# Altium PCB PCB1.PcbDoc (part 1 of 2) (continued)
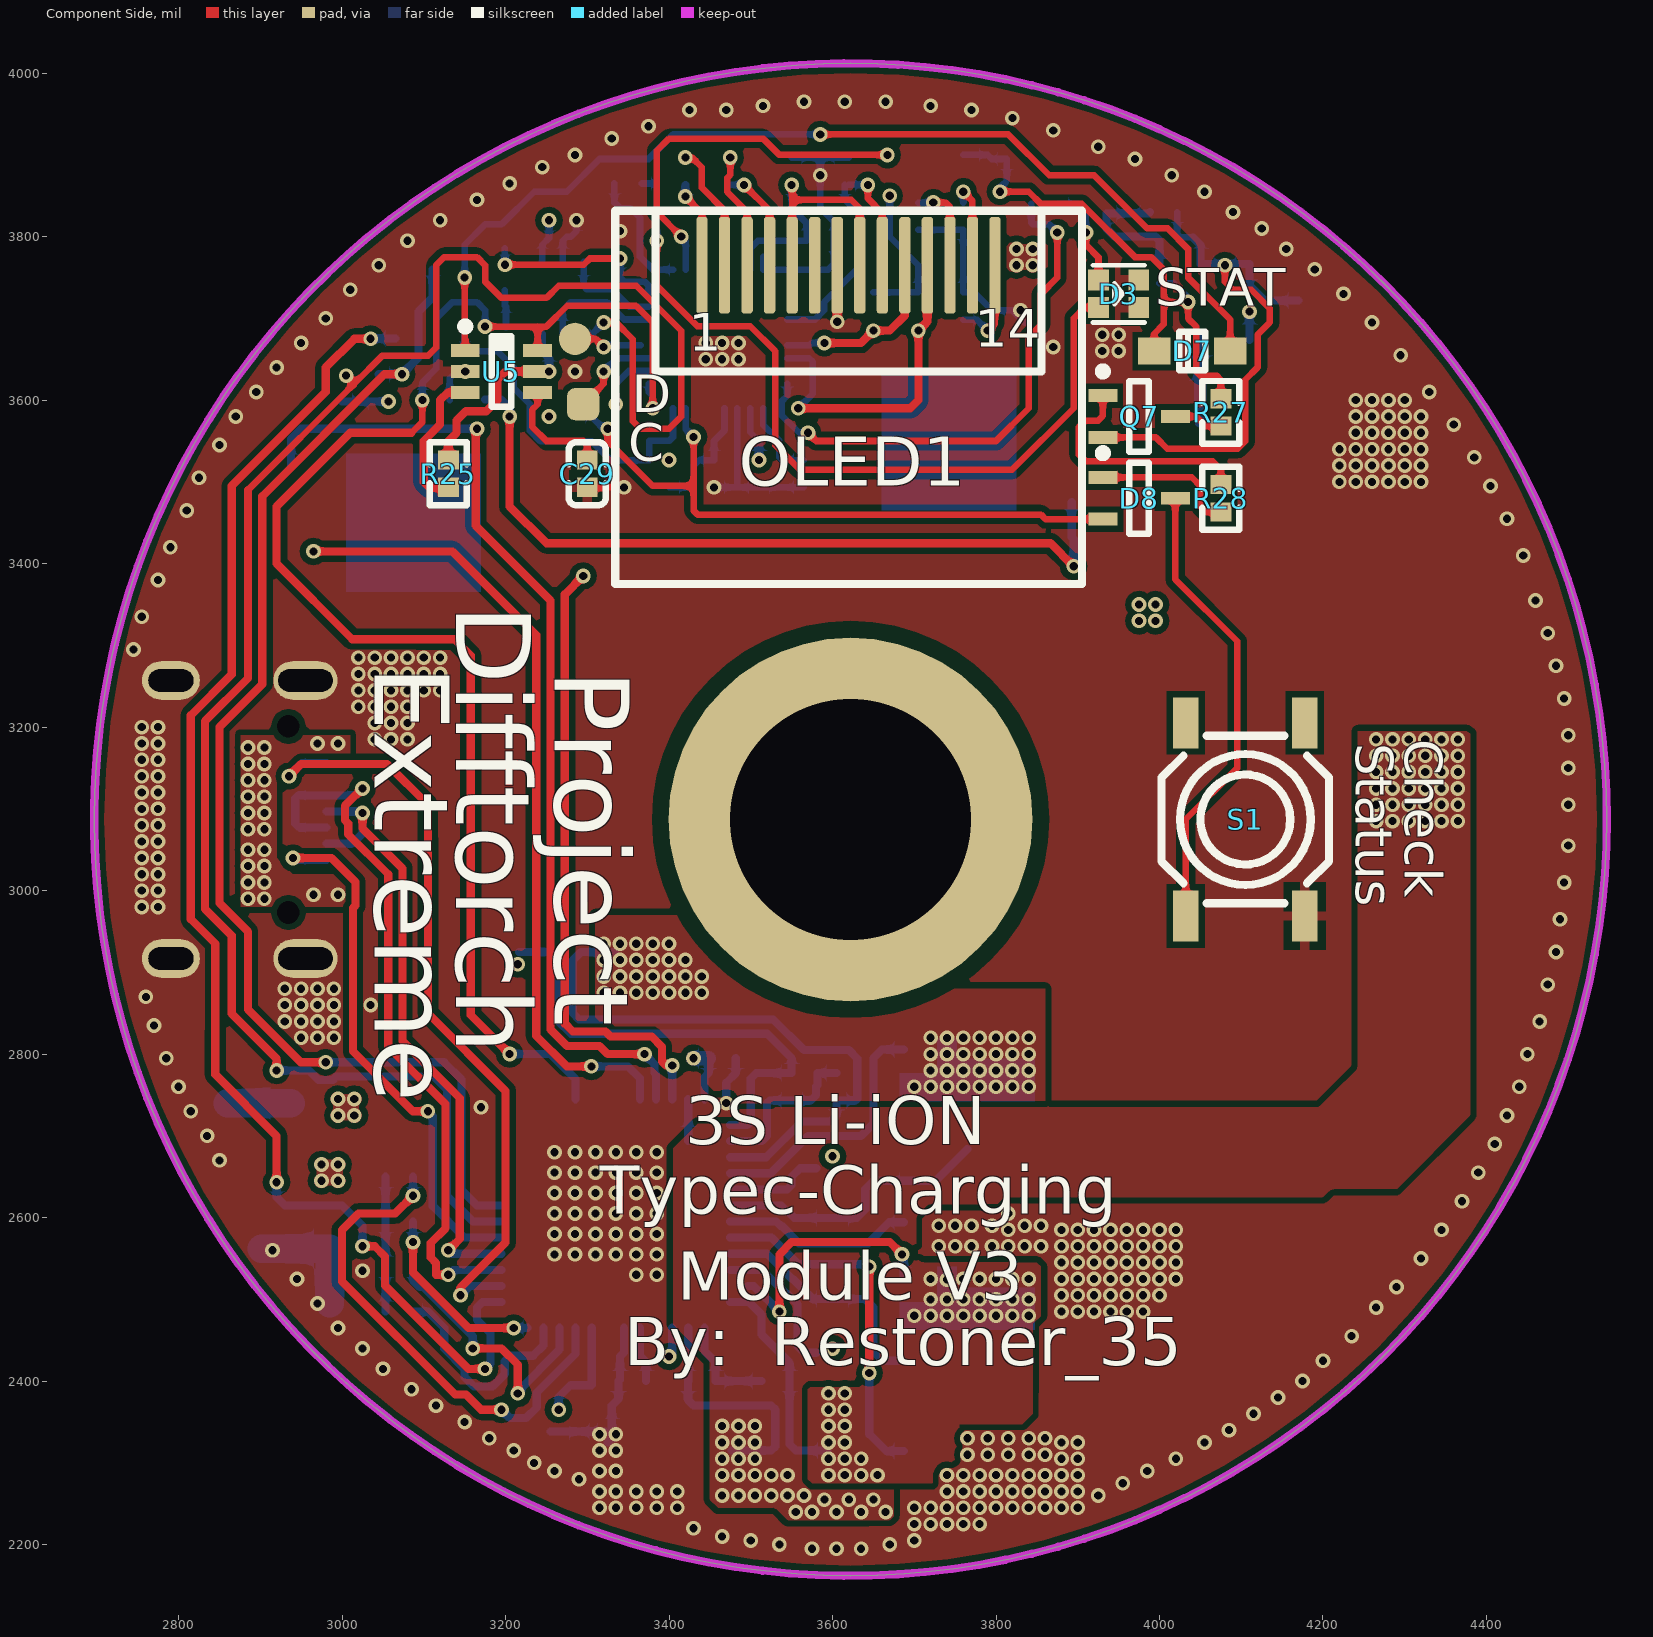
[diagram p0: Component Side view]
## Components (designator, comment, footprint, x,y, rotation, side; value= is the part's Value field where it differs from the comment)
C1 "100nF (104) 10% 50V" 0603_C 3600,2630 r90 bottom
C2 "100nF (104) 10% 50V" 0603_C 3600,2470 r270 bottom
C3 "1.0uF (105) 10% 25V" 0402_C 3440,2400 r180 bottom
C4 "22uF (226) 20% 25V" 0805_C 3370,2325 r180 bottom
C5 "22uF (226) 20% 25V" 0805_C 3100,2835 r0 bottom
C6 "1.0uF (105) 10% 25V" 0402_C 3550,2760 r90 bottom
C7 "22uF (226) 20% 25V" 0805_C 3100,2930 r0 bottom
C8 "TCN4107M035" TCN4 3160,3155 r90 bottom
C9 "4.7uF (475) 20% 10V" 0402_C 3355,2400 r0 bottom
C10 "4.7uF (475) 20% 10V" 0402_C 3265,2350 r90 bottom
C11 "100nF (104) 10% 16V" 0402_C 3465,2795 r180 bottom
C12 "22uF (226) 20% 25V" 0805_C 4345,3405 r90 bottom
C13 "TCN4157M035" TCN4 4115,3530 r0 bottom
C14 "100nF (104) 10% 16V" 0402_C 3510,3510 r270 bottom
C15 "100nF (104) 10% 16V" 0402_C 2920,2660.09 r90 bottom
C16 "1.0uF (105) 10% 25V" 0402_C 3935,3845 r270 bottom
C17 "10uF (106) 10% 10V" 0603_C 3830,3725 r90 bottom
C18 "100nF (104) 10% 16V" 0402_C 3585,3795 r0 bottom
C19 "4.7uF (475) 20% 10V" 0402_C 3565,3510 r270 bottom
C20 "100nF (104) 10% 16V" 0402_C 3455,3510 r90 bottom
C21 "1.0uF (105) 10% 25V" 0402_C 3760,3825 r270 bottom
C22 "1.0uF (105) 10% 25V" 0402_C 3420,3880 r90 bottom
C23 "1.0uF (105) 10% 25V" 0402_C 3475,3880 r270 bottom
C24 "100nF (104) 10% 16V" 0402_C 3550,3880 r270 bottom
C25 "1.0uF (105) 10% 25V" 0402_C 3760,3715 r270 bottom
C26 "100nF (104) 10% 16V" 0402_C 3270,3820 r180 bottom
C27 "100nF (104) 10% 16V" 0402_C 3270,3635 r180 bottom
C28 "100nF (104) 10% 16V" 0402_C 4170,3705 r90 bottom
C29 "4.7uF (475) 20% 10V" 0402_C 3300,3510 r270 top
D1 "SMF30A CK" SOD-123 2995,2740 r180 bottom
D2 "SMF30A CK" SOD-123 2985,2620 r270 bottom
D3 "0606 双色LED" LED-SMD_4P-L1.6-W1.5-TL-1 3950,3730 r180 top
D4 "1N5819WS S4" SOD-323 4110,3720 r270 bottom
D5 "1N5819WS S4" SOD-323 4050,3720 r270 bottom
D6 "1N5819WS S4" SOD-323 3713.54,3900 r180 bottom
D7 "1N5819WS S4" SOD-323 4040,3660 r0 top
D8 "BAV70 A4" SC70-3 3975,3480 r0 top
J1 "TYPEC 16P" USB-C-SMD_KH-TYPE-C-16P 2885.79,3087.01 r90 bottom locked
L1 "IHLP5050FDER100M01" IHLP5050FDER***M01 4140,3020 r270 bottom
OLED1 "0.49Inch 64x32" OLED-0.49Inch 3334.13,3375 r0 top
Q1 "RUH30J51M" PDFN-8_L5.8-W4.9_RU30J30M 3765,2420 r0 bottom
Q2 "RUH30J51M" PDFN-8_L5.8-W4.9_RU30J30M 3765,2700 r0 bottom
Q3 "CSD18540" SON/DFN5x6(MOS) 3050,3450 r0 bottom
Q4 "NCE30P50G" SON/DFN5x6(MOS) 3780,3550 r180 bottom
Q5 "2N7002KW" SC70-3 3175,3645 r270 bottom
Q6 "2N7002KW" SC70-3 3155,3760 r180 bottom
Q7 "SS8550W" SC70-3 3975,3580 r0 top
R1 "0Ω (0R0) ±1%" 1206_R 3545,2315 r180 bottom
R2 "10Ω (10R0) ±1%" 0402_R 3530,2400 r180 bottom
R3 "0Ω (0R0) ±1%" 1206_R 3275,2925 r0 bottom
R4 "10Ω (10R0) ±1%" 0402_R 3605,2760 r270 bottom
R5 "9.1KΩ (9101) ±1%" 0402_R 3070,2650 r0 bottom
R6 "6.2KΩ (6201) ±1%" 0402_R 3070,2540 r0 bottom
R7 "15KΩ (1502) ±1%" 0402_R 3070,2595 r0 bottom
R8 "10KΩ (1002) ±1%" 0402_R 3070,2485 r0 bottom
R9 "220KΩ (2203) ±1%" 0402_R 3895,3380 r270 bottom
R10 "10KΩ (1002) ±1% NTC B3380" 0402_R 3065.44,3692.04 r270 bottom
R11 "10KΩ (1002) ±1%" 0402_R 3400,3510 r90 bottom
R12 "470KΩ (4703) ±1%" 0402_R 3705,3825 r270 bottom
R13 "3.3KΩ (3301) ±1%" 0402_R 3650,3715 r90 bottom
R14 "1Ω (1R00) ±1%" 0402_R 4005,3830 r180 bottom
R15 "3.3KΩ (3301) ±1%" 0402_R 3705,3715 r90 bottom
R16 "10KΩ (1002) ±1%" 0402_R 3615,3880 r270 bottom
R17 "10KΩ (1002) ±1%" 0402_R 3270,3580 r180 bottom
R18 "3.3KΩ (3301) ±1%" 0402_R 3000,3615 r270 bottom
R19 "3.3KΩ (3301) ±1%" 0402_R 3045,3615 r270 bottom
R20 "470KΩ (4703) ±1%" 0402_R 3115,3600 r180 bottom
R21 "1KΩ (1001) ±1%" 0402_R 3350,3865 r180 bottom
R22 "2.43KΩ (2431) ±1%" 0402_R 3860,3840 r0 bottom
R23 "10KΩ (1002) ±1%" 0402_R 3340,3790 r90 bottom
R24 "10KΩ (1002) ±1%" 0402_R 3345,3510 r90 bottom
R25 "1KΩ (1001) ±1%" 0402_R 3130,3510 r270 top
R26 "22KΩ (2202) ±1%" 0402_R 3830,3895 r180 bottom
R27 "1KΩ (1001) ±1%" 0402_R 4075,3585 r270 top
R28 "15KΩ (1502) ±1%" 0402_R 4075,3480 r90 top
S1 "4x4轻触" SW-SMD_4P-L5.2-W5.2-P3.70-LS6.4 4105,3087.01 r90 top
U1 "IP2368" QFN50P700X700X100_HS-49M 3335,2605 r270 bottom locked
U2 "MPQ2013AGQ-33-AEC1" MPQ2013A-QFN8 3945,3730 r180 bottom
U3 "HT32F52342-QFN33" QFN32-HT32 3460,3675 r180 bottom
U4 "SN74LVC1T45DCKR" DCK0006A_N 3270,3725 r270 bottom
U5 "NC7SB3157P6X" SC70-6 3195,3635 r0 top

## Footprints (in the part's own frame and the unit in brackets; to place one, negate y for a bottom-side part, rotate by r counter-clockwise, add the part's x,y. Pads: shape width x height; smd on the part's side, far side on the other; paste and mask are expansions set on the pad)
0402_C [mm]
  rect 0.6x0.65 smd mask+0.051: 1(-0.425,0) 2(0.425,0)
  silkscreen extent -0.97,-0.58 0.97,0.58, body extent -0.48,-0.3 0.52,0.3, height 0.2
0402_R [mm]
  rect 0.6x0.65 smd mask+0.051: 1(-0.425,0) 2(0.425,0)
  silkscreen extent -0.97,-0.58 0.97,0.58, body extent -0.57,-0.27 0.58,0.28, height 0.41
0603_C [mm]
  rect 0.93x0.98 smd: 1(-0.77,0) 2(0.77,0)
  silkscreen extent -1.53,-0.79 1.54,0.79, body extent -0.8,-0.4 0.8,0.4, height 0.3
0805_C [mm]
  rect 1.16x1.47 smd: 1(-0.89,0) 2(0.89,0)
  silkscreen extent -1.77,-1.04 1.77,1.04, body extent -1,-0.62 1,0.62, height 0.77
1206_R [mm]
  rect 1.13x1.8 smd: 1(-1.49,0) 2(1.49,0)
  silkscreen extent -2.36,-1.2 2.35,1.2, body extent -1.7,-0.86 1.65,0.87, height 0.85
DCK0006A_N [mm] "SOT23, 6-Leads, Body 2.15x1.4mm, Pitch 0.65mm, IPC Medium Density"
  rect 0.85x0.4 smd: 1(-1.125,0.65) 2(-1.125,0) 3(-1.125,-0.65) 4(1.125,-0.65) 5(1.125,0) 6(1.125,0.65)
  silkscreen extent -1.25,-1.1 0.3,1.52, body extent -1.14,-1 1.14,1, height 0.94
IHLP5050FDER***M01 [mm] "Vishay IHLP Series inductor 5050Size code"
  rect 3.15x4.75 smd: 1(-5.5,0) 2(5.5,0)
  silkscreen extent -6.85,-6.5 6.85,6.5, body extent -6.85,-6.45 6.85,6.45, height 6.4
LED-SMD_4P-L1.6-W1.5-TL-1 [mm]
  rect 0.65x0.65 smd mask+0.051: 1(-0.625,0.425) 2(-0.625,-0.425) 3(0.625,-0.425) 4(0.625,0.425)
  silkscreen extent -0.8,-0.89 0.8,0.89
MPQ2013A-QFN8 [mm] "SON, 8-Leads, Body 3.00x3.00mm, Pitch 0.65mm, Thermal Pad 2.40x1.49mm, IPC Medium Density"
  rect 0.9x0.25 smd mask+0.03: 1(-1.395,0.975) 2(-1.395,0.325) 3(-1.395,-0.325) 4(-1.395,-0.975) 5(1.395,-0.975) 6(1.395,-0.325) 7(1.395,0.325) 8(1.395,0.975)
  rect 1.49x2.4 smd mask+0.03: 9(0,0)
  silkscreen extent -2.15,-1.7 1.7,1.75, body extent -1.55,-1.55 1.55,1.55, height 1
OLED-0.49Inch [mm] "OLED Display 0.49Inch"
  rrect50% 0.35x3 smd mask+0.05: 1(2.7,9.906) 2(3.4,9.906) 3(4.1,9.906) 4(4.8,9.906) 5(5.5,9.906) 6(6.2,9.906) 7(6.9,9.906) 8(7.6,9.906) 9(8.3,9.906) 10(9,9.906) 11(9.7,9.906) 12(10.4,9.906) 13(11.1,9.906) 14(11.8,9.906)
  silkscreen extent 0,0 14.5,11.6
PDFN-8_L5.8-W4.9_RU30J30M [mm]
  rect 0.61x0.71 smd paste-100 mask+0.051: 1(-1.98,-2.685) 5(1.98,2.685) 6(0.632,2.685) 7(-0.638,2.685) 8(-1.98,2.685)
  rect 0.61x0.79 smd mask+0.05: 2(-0.635,-2.645)
  rect 0.61x0.79 smd paste-100 mask+0.051: 3(0.633,-2.645) 4(1.98,-2.645)
  rect 4.2x2.4 smd paste-100 mask+0.051: 9(-0.003,0.405)
  Component Side region: -2.1,-1.08 -2.1,-1.94 -0.94,-1.94 -0.94,-3.04 -0.33,-3.04 -0.33,-2.4 2.1,-2.4 2.1,-1.08
  silkscreen extent -2.55,-3.56 2.55,2.95, body extent -2.54,-2.92 2.54,2.92, height 1
QFN32-HT32 [mm] "QFN, 32-Leads, Body 4.00x4.00mm, Pitch 0.40mm, Thermal Pad 2.65x2.65mm, IPC Low Density"
  oval 1x0.2 smd mask+0.03: 1(-2.15,1.4) 2(-2.15,1) 3(-2.15,0.6) 4(-2.15,0.2) 5(-2.15,-0.2) 6(-2.15,-0.6) 7(-2.15,-1) 8(-2.15,-1.4) 17(2.15,-1.4) 18(2.15,-1) 19(2.15,-0.6) 20(2.15,-0.2) 21(2.15,0.2) 22(2.15,0.6) 23(2.15,1) 24(2.15,1.4)
  oval 0.2x1 smd mask+0.03: 9(-1.4,-2.15) 10(-1,-2.15) 11(-0.6,-2.15) 12(-0.2,-2.15) 13(0.2,-2.15) 14(0.6,-2.15) 15(1,-2.15) 16(1.4,-2.15) 25(1.4,2.15) 26(1,2.15) 27(0.6,2.15) 28(0.2,2.15) 29(-0.2,2.15) 30(-0.6,2.15) 31(-1,2.15) 32(-1.4,2.15)
  rect 2.65x2.65 smd mask+0.03: 33(0,0)
  silkscreen extent -2.93,-2.15 2.15,2.15, body extent -2,-2 2,2, height 0.8
QFN50P700X700X100_HS-49M [mm] "QFN, 48-Leads, Body 7.00x7.00mm, Pitch 0.50mm, Thermal Pad 5.40x5.40mm, IPC Low Density"
  oval 1.1x0.25 smd mask+0.02: 1(-3.55,2.75) 2(-3.55,2.25) 3(-3.55,1.75) 4(-3.55,1.25) 5(-3.55,0.75) 6(-3.55,0.25) 7(-3.55,-0.25) 8(-3.55,-0.75) 9(-3.55,-1.25) 10(-3.55,-1.75) 11(-3.55,-2.25) 12(-3.55,-2.75) 25(3.55,-2.75) 26(3.55,-2.25) 27(3.55,-1.75) 28(3.55,-1.25) 29(3.55,-0.75) 30(3.55,-0.25) 31(3.55,0.25) 32(3.55,0.75) 33(3.55,1.25) 34(3.55,1.75) 35(3.55,2.25) 36(3.55,2.75)
  oval 0.25x1.1 smd mask+0.02: 13(-2.75,-3.55) 14(-2.25,-3.55) 15(-1.75,-3.55) 16(-1.25,-3.55) 17(-0.75,-3.55) 18(-0.25,-3.55) 19(0.25,-3.55) 20(0.75,-3.55) 21(1.25,-3.55) 22(1.75,-3.55) 23(2.25,-3.55) 24(2.75,-3.55) 37(2.75,3.55) 38(2.25,3.55) 39(1.75,3.55) 40(1.25,3.55) 41(0.75,3.55) 42(0.25,3.55) 43(-0.25,3.55) 44(-0.75,3.55) 45(-1.25,3.55) 46(-1.75,3.55) 47(-2.25,3.55) 48(-2.75,3.55)
  rect 5.4x5.4 smd mask+0.02: 49(0,0)
  silkscreen extent -4.47,-3.7 3.7,3.7, body extent -3.55,-3.55 3.55,3.55, height 1
SC70-3 [mm] "3 Lead SC70(SOT-323) package for small Transistor"
  rect 0.9x0.4 smd mask+0.05: 1(-1.125,0.65) 2(-1.125,-0.65) 3(1.125,0)
  silkscreen extent -1.25,-1.1 0.3,1.52, body extent -0.67,-1.1 0.67,1.1, height 1.1
SC70-6 [mm] "SOT23, 6-Leads, Body 2.00x2.10mm, Pitch 0.65mm, IPC Medium Density"
  rect 0.9x0.4 smd mask+0.05: 1(-1.125,0.65) 2(-1.125,0) 3(-1.125,-0.65) 4(1.125,-0.65) 5(1.125,0) 6(1.125,0.65)
  silkscreen extent -1.25,-1.1 0.3,1.52, body extent -0.67,-1.1 0.67,1.1, height 1.1
SOD-123 [mm]
  rect 1.25x1 smd: 1(1.475,0) 2(-1.475,0)
  silkscreen extent -0.5,-0.7 0.5,0.7, body extent -1.85,-0.77 1.85,0.78, height 1.35
SOD-323 [mm]
  rect 1x0.83 smd: 1(1.18,0) 2(-1.18,0)
  silkscreen extent -0.4,-0.6 0.4,0.6, body extent -1.35,-0.63 1.35,0.63, height 1.1
SON/DFN5x6(MOS) [mm] "SON, 8-Leads, Body 5.00x6.00mm, Pitch 1.27mm, Thermal Pad 4.00x3.53mm, IPC Low Density"
  rect 1.15x0.45 smd: 1(-2.86,1.905) 2(-2.86,0.635) 3(-2.86,-0.635) 4(-2.86,-1.905) 5(2.86,-1.905) 6(2.86,-0.635) 7(2.86,0.635) 8(2.86,1.905)
  Component Side region: -1.143,2.159 3.048,2.159 3.048,-2.159 -1.143,-2.159
  silkscreen extent -3.65,-2.7 3.2,2.75, body extent -3.05,-2.55 3.05,2.55, height 1.05
SW-SMD_4P-L5.2-W5.2-P3.70-LS6.4 [mm]
  rect 1.58x0.8 smd mask+0.051: 1(-3,1.85) 2(3,1.85) 3(-3,-1.85) 4(3,-1.85)
  silkscreen extent -2.6,-2.6 2.6,2.6
TCN4 [mm] "Molded Capacitor, 2-Leads, Body 7.30x6.10mm, IPC Medium Density"
  rect 2.95x4.8 smd: 1(-2.775,0)
  rect 4.15x4.8 smd: 2(2.175,0)
  silkscreen extent -4.52,-3.15 3.75,3.15, body extent -3.75,-3.15 3.75,3.15, height 2
USB-C-SMD_KH-TYPE-C-16P [mm]
  rect 0.1x0.1 hole 0.7 mask+0.05: 0(-2.89,1.235) 0(2.89,1.235)
  oval 1.2x1.8 hole 0.7 slot 1.4 at 90 deg mask+0.051: 1(-4.32,-2.415) 1(4.32,-2.415)
  oval 1.2x2 hole 0.7 slot 1.7 at 90 deg mask+0.051: 1(-4.32,1.765) 1(4.32,1.765)
  rect 0.3x1.3 smd paste-100 mask+0.05: A1(-3.35,2.415) A4(-2.55,2.415) A5(-1.25,2.415) A6(-0.25,2.415) A7(0.25,2.415) A8(1.25,2.415) A9(2.55,2.415) A12(3.35,2.415) B1(3.05,2.415) B4(2.25,2.415) B5(1.75,2.415) B6(0.75,2.415) B7(-0.75,2.415) B8(-1.75,2.415) B9(-2.25,2.415) B12(-3.05,2.415)
  silkscreen extent -4.57,-5.08 4.57,0.57

## Part data
C1 C2: library part "0603 100nF (104) 10% 50V", "贴片电容"
C3 C6 C16 C21 C22 C23 C25: library part "0402 1.0uF (105) 10% 25V", "贴片电容"
C4 C5 C7 C12: library part "0805 22uF (226) 20% 25V", "贴片电容"
C8 C13: library part CAP2, "Capacitor"
C9 C10 C19 C29: library part "0402 4.7uF (475) 20% 10V", "贴片电容"
C11 C14 C15 C18 C20 C24 C26 C27 C28: library part "0402 100nF (104) 10% 16V", "贴片电容"
C17: library part "0603 10uF (106) 10% 10V", "贴片电容"
D1 D2: library part "SOD-123 B5819W  SL", "TVS二极管"
D3: library part "0606DualColor LED", "0606 双色LED 红色/翠绿"
D4 D5 D6 D7: library part "SOD-323 1N4148WS T4", "二极管"
D8: library part "SOT-23 BAV70 A4", "开关二极管"
J1: library part KH-TYPEC-16P, "16Pin TypeC立贴座子"
L1: library part "Inductor Iron", "Vishay Inductor 10uH 16.4mR 15.5A"
OLED1: library part "0.49Inch OLED", "0.49英寸OLED 64*32像素"
Q1 Q2: library part RU30J30M, "Dual N MOSFET 30V/51A"
Q3 Q4: library part "SON/DFN5x6 MOS", "Gerenal DFN/SON Package MOSFET"
Q5 Q6: library part "2N7002 7002", "MOS(场效应管)"
Q7: library part "SOT-23 SS8550 Y2", "三极管"
R1 R3: library part "1206 0Ω (0R0) 1%", "贴片电阻"
R2 R4: library part "0402 10Ω (10R0) 1%", "贴片电阻"
R5 R6: library part "0402 0Ω (0R0) 1%", "贴片电阻"
R7 R28: library part "0402 15KΩ (1502) 1%", "贴片电阻"
R8 R11 R16 R17 R23 R24: library part "0402 10KΩ (1002) 1%", "贴片电阻"
R9: library part "0402 220KΩ (2203) 1%", "贴片电阻"
R10: library part "0402 10KΩ (1002) 1%", "贴片NTC热敏电阻"
R12 R20: library part "0402 470KΩ (4703) 1%", "贴片电阻"
R13 R15 R18 R19: library part "0402 3.3KΩ (3301) 1%", "贴片电阻"
R14: library part "0402 1Ω (1R00) 1%", "贴片电阻"
R21 R25 R27: library part "0402 1KΩ (1001) 1%", "贴片电阻"
R22: library part "0402 2KΩ (2001) 1%", "贴片电阻"
R26: library part "0402 22KΩ (2202) 1%", "贴片电阻"
S1: library part SW-PB, "Switch"
U1: "IP2368 2-5S 双向电池充放电管理，100W PD"
U2: library part MPQ2013AGQ-xx-AEC1, "MPS 40V LDO with Enable pin QFN3x3 package"
U3: library part HT32F52352-QFN, "Holtek MCU Cortex M0+ 48MHz 64K ROM 16K RAM"
U4: "Single-Bit Dual-Supply Bus Transceiver with Configurable Voltage Translation and 3-State Outputs, DCK0006A, LARGE T&R"
U5: "Low-Voltage Analog Switch SPDT,1.8-5V Power"

## Free pads (board coordinates)
  round 444.88 hole 295.28 mask+1.97: 1(3622.01,3087.01)
  rrect50% 39.37x39.37 smd mask+1.97: 15(3295,3595)
  round 39.37 smd mask+1.97: 16(3285,3675)

## Via types
v1: diameter 18, hole 10, Component Side to Solder Side, tented both sides, 677 vias

## Nets (pads, with @x,y where several pads share a name; then routed paths per layer and width w, separated by ;. In a path a pad name is that pad's centre, name@x,y a point inside that pad or via, vN(x,y) a via of type N, cw(c..) or ccw(c..) an arc to the next point about the centre after c; other vN are vias at no path point)
3V3: C14.1 C17.2 C18.1 C24.2 C26.2 OLED1.5 OLED1.8 R11.2 R13.2 R15.2 R17.2 U2.8 U3.10 U3.18 U3.31 U4.1 | length 811.7
  Component Side w8: v1(3550,3863.27) 3550.67,3862.6 3550.67,3845 ; OLED1.5@3550.67,3765 3550.67,3845 ; OLED1.8@3633.35,3765 3633.35,3834.58 3622.93,3845 3550.67,3845
  Solder Side w8: U4.1@3244.41,3769.29 3245,3769.88 3245,3790 3253.27,3798.27 v1(3253.27,3820) ; v1(3335,3595) 3335,3620 3350.63,3635.63 U3.18@3375.35,3635.63 ; U3.10@3499.37,3590.35 3499.37,3560.75 3510,3550.12 ; U3.31@3499.37,3759.65 3499.37,3785.63 3508.74,3795 C18.1@3568.27,3795 3568.27,3816.73 3550,3835 v1(3550,3863.27) ; R13.2@3650,3731.73 R15.2@3705,3731.73 3705,3765 3670,3800 v1(3670,3850)
  Solder Side w10: v1(3510,3526.73) 3510,3550.12
  other v1: 3400,3526.73 3253.27,3580 3825,3765 3845,3765 3825,3785 3845,3785
5V: C9.2 U1.29 | length 68.2
  Solder Side w10: U1.29@3364.53,2465.24 3364.53,2430.47 3371.73,2423.27 C9.2@3371.73,2400
2368SCL: Q6.1 R23.1 U3.24 | length 236.2
  Component Side w8: v1(3199.29,3765.71) 3295.71,3765.71 3303.27,3773.27 v1(3340,3773.27)
  Solder Side w8: v1(3199.29,3765.71) Q6.1@3199.29,3785.59 ; v1(3340,3773.27) 3340,3750 3345,3745 3370,3745 3375.35,3739.65 U3.24@3375.35,3730.12
2368SDA: U3.23 U4.3 | length 120
  Solder Side w8: U4.3@3295.59,3769.29 3295.59,3739.41 3299.5,3735.5 3330.41,3735.5 3351.54,3714.37 U3.23@3375.35,3714.37
BATN: R5.2 U1.33 | length 620
  Component Side w10: v1(3086.73,2626.73) 3065,2605 3020,2605 3000,2585 3000,2521.98 3138.48,2383.5 3151.5,2383.5 3170,2365 v1(3195,2365)
  Solder Side w10: v1(3086.73,2626.73) R5.2@3086.73,2650 ; v1(3195,2365) 3205,2355 3225.25,2355 3238.17,2367.92 3238.17,2385.81 3285.79,2433.42 U1.33@3285.79,2465.24
BST1: C1.2 D1.2 U1.17 | length 121.8
  Solder Side w10: U1.17@3474.76,2634.53 3544.53,2634.53 3550,2640 3550,2650 3560.32,2660.32 3580,2660.32
  other v1: 3600,2675 2995,2725 3015,2725 2995,2745 3015,2745
BST2: C2.2 D2.2 U1.22 | length 177.2
  Solder Side w10: U1.22@3474.76,2536.1 3513.9,2536.1 3543,2507 3544.11,2507 3557,2494.11 3557,2443 3565.32,2434.68 3580,2434.68
  other v1: 3600,2439.68 2975,2645 2995,2645 2975,2665 2995,2665
C1N: C23.2 OLED1.4 | length 128
  Component Side w8: v1(3491.73,3863.27) 3523.11,3831.89 OLED1.4@3523.11,3765
  Solder Side w8: C23.2@3475,3863.27 v1(3491.73,3863.27)
C1P: C23.1 OLED1.3 | length 143.4
  Component Side w8: v1(3475,3896.73) 3475,3875.53 3471.23,3871.76 3471.23,3854.78 3495.55,3830.46 OLED1.3@3495.55,3765
C2N: C22.2 OLED1.2 | length 156.5
  Component Side w8: v1(3420,3896.73) 3428.27,3896.73 3440,3885 3440,3860 3467.99,3832.01 OLED1.2@3467.99,3765
C2P: C22.1 OLED1.1 | length 106.7
  Component Side w8: v1(3420,3849.13) 3440.43,3828.7 OLED1.1@3440.43,3765
  Solder Side w10: v1(3420,3849.13) C22.1@3420,3863.27
CC1: J1.A5 U1.41 | length 679.4
  Component Side w10: v1(2940,3040) 2986.98,3040 3016.5,3010.48 3016.5,2981.6 3013.5,2978.6 3013.5,2803.48 3086.98,2730 v1(3105,2730)
  Solder Side w10: v1(2940,3040) 2942.2,3037.8 J1.A5@2980.87,3037.8 ; v1(3105,2730) 3111.04,2723.96 3111.04,2613.96 3149.53,2575.47 U1.41@3195.24,2575.47
CC2: J1.B5 U1.38 | length 966.5
  Component Side w10: v1(2935,3140) 2950,3155 3055,3155 3105,3105 3105,2850 3200,2755 3200,2569.59 3145,2514.59 v1(3145,2505)
  Solder Side w10: v1(2935,3140) 2950.91,3155.91 J1.B5@2980.87,3155.91 ; v1(3145,2505) 3156.42,2516.42 U1.38@3195.24,2516.42
DIR: U3.22 U4.5 | length 147.6
  Solder Side w8: U4.5@3270,3680.71 3270,3710 3280,3720 3323.99,3720 3345.37,3698.62 U3.22@3375.35,3698.62
ENCTRL: D6.1 U3.26 | length 456.7
  Component Side w8: v1(3415,3800) 3385,3830 3385,3905 3400,3920 3515,3920 3535,3900 v1(3667.09,3900)
  Solder Side w8: v1(3415,3800) 3420.63,3794.37 U3.26@3420.63,3759.65
FCAP: R6.2 U1.34 | length 332.8
  Component Side w10: v1(3160,2440) 3195,2440 3215,2420 v1(3215,2385)
  Solder Side w10: R6.2@3086.73,2540 3086.73,2523.27 3095,2515 3099.75,2515 3160,2454.75 v1(3160,2440) ; v1(3215,2385) 3215,2387.39 3266.1,2438.49 U1.34@3266.1,2465.24
GND: C4.2 C5.1 C7.1 C8.2 C9.1 C10.1 C11.1 C12.2 C13.2 C14.2 C15.2 C16.1 C17.1 C18.2 C19.2 C20.1 C21.2 C24.1 C25.1 C26.1 C27.1 C28.1 C29.2 D1.1 D2.1 D3.1 D3.2 J1.1 J1.A1 J1.A12 J1.B1 J1.B12 OLED1.7 Q1.5 Q1.6 Q1.7 Q2.5 Q2.6 Q2.7 Q5.2 Q6.2 R5.1 R6.1 R7.1 R8.1 R10.1 R12.2 R16.1 R20.1 R23.2 R24.1 R26.1 S1.3 U1.11 U1.30 U1.49 U2.4 U2.9 U3.11 U3.32 U3.33 U4.2 U5.2 | length 1715.6
  Component Side w8: C29.2@3300,3493.27 v1(3345,3493.27) ; v1(3605.79,3695.79) OLED1.7@3605.79,3765
  Solder Side w8: R20.1@3131.73,3600 3131.73,3626.73 3140,3635 v1(3150.71,3635) ; Q6.2@3199.29,3734.41 3199.29,3715.71 3200.59,3714.41 Q5.2@3200.59,3689.29 ; U4.2@3270,3769.29 3270,3795 3275,3800 3280,3800 3286.73,3806.73 v1(3286.73,3820) ; v1(3455,3493.27) C14.2@3510,3493.27 C19.2@3565,3493.27 ; 3483.62,3496.38 U3.11@3483.62,3590.35 ; U3.32@3515.12,3775.12 U3.32@3515.12,3759.65 3594.65,3759.65 3601.73,3766.73 C18.2@3601.73,3795 3601.73,3818.27 3585,3835 v1(3585,3875) 3585,3896.73 ; C24.1@3550,3896.73 3585,3896.73 ; R16.1@3620,3896.73 3585,3896.73 ; R12.2@3705,3808.27 C21.2@3760,3808.27 C25.1@3760,3731.73 3773.27,3731.73 3795,3710 3819.68,3710 C17.1@3835,3694.68
  Solder Side w10: R8.1@3053.27,2485 R6.1@3053.27,2540 R7.1@3053.27,2595 R5.1@3053.27,2650 ; C10.1@3255,2338.27 C4.2@3321.77,2338.27 ; C4.2@3324.96,2325 3330,2330.04 3330,2370 3338.27,2378.27 C9.1@3338.27,2400 3340,2401.73 3340,2430 3344.84,2434.84 U1.30@3344.84,2465.24 ; U1.49@3423.58,2693.58 U1.11@3423.58,2744.76 ; 3470,2750 3470,2765 3481.73,2776.73 C11.1@3481.73,2795
  Solder Side w35: 2860,2740 D1.1@2936.93,2740 ; 2901.93,2561.93 D2.1@2985,2561.93 2985,2495
  other v1: 3575,2195 3605,2195 3635,2195 3535,2200 3670,2200 3500,2205 3700,2205 3465,2210 3430,2220 3700,2225 3720,2225 3740,2225 3760,2225 3780,2225 3315,2245 3335,2245 3360,2245 3385,2245 3410,2245 3700,2245 3720,2245 3740,2245 3760,2245 3780,2245 3800,2245 3820,2245 3840,2245 3860,2245 3880,2245 3900,2245 3925,2260 3315,2265 3335,2265 3360,2265 3385,2265 3410,2265 3740,2265 3760,2265 3780,2265 3800,2265 3820,2265 3840,2265 3860,2265 3880,2265 3900,2265 3955,2275 3290,2280 3740,2285 3760,2285 3780,2285 3800,2285 3820,2285 3840,2285 3860,2285 3880,2285 3900,2285 3260,2290 3315,2290 3335,2290 3985,2290 3235,2300 3880,2305 3900,2305 4020,2305 3765,2310 3790,2310 3815,2310 3840,2310 3860,2310 3210,2315 3315,2315 3335,2315 3880,2325 3900,2325 4055,2325 3180,2330 3765,2330 3790,2330 3815,2330 3840,2330 3860,2330 3315,2335 3335,2335 4085,2340 3150,2350 4115,2360 3115,2370 4145,2380 3085,2390 4175,2400 3050,2415 4200,2425 3025,2440 4235,2455 2995,2465 3880,2485 3900,2485 3920,2485 3940,2485 3960,2485 3980,2485 4265,2490 2970,2495 3880,2505 3900,2505 3920,2505 3940,2505 3960,2505 3980,2505 4000,2505 4290,2515 2945,2525 3880,2525 3900,2525 3920,2525 3940,2525 3960,2525 3980,2525 4000,2525 4020,2525 3360,2530 3385,2530 3025,2535 3880,2545 3900,2545 3920,2545 3940,2545 3960,2545 3980,2545 4000,2545 4020,2545 4320,2550 3260,2555 3285,2555 3310,2555 3335,2555 3360,2555 3385,2555 2915,2560 3730,2565 3750,2565 3770,2565 3795,2565 3815,2565 3835,2565 3855,2565 3880,2565 3900,2565 3920,2565 3940,2565 3960,2565 3980,2565 4000,2565 4020,2565 3260,2580 3285,2580 3310,2580 3335,2580 3360,2580 3385,2580 3815,2585 3880,2585 3900,2585 3920,2585 3940,2585 3960,2585 3980,2585 4000,2585 4020,2585 4345,2585 3730,2590 3750,2590 3770,2590 3795,2590 3835,2590 3855,2590 3260,2605 3285,2605 3310,2605 3335,2605 3360,2605 3385,2605 3815,2605 4370,2620 3260,2630 3285,2630 3310,2630 3335,2630 3360,2630 3385,2630 3260,2655 3285,2655 3310,2655 3335,2655 3360,2655 3385,2655 4390,2655 2850,2670 3260,2680 3285,2680 3310,2680 3335,2680 3360,2680 3385,2680 4410,2690 2835,2700 4425,2725 2815,2730 3170,2735 3470,2740 2800,2760 4440,2760 2785,2795 4450,2800 2950,2820 2970,2820 2990,2820 2770,2835 2930,2840 2950,2840 2970,2840 2990,2840 4465,2840 2930,2860 2950,2860 2970,2860 2990,2860 3035,2860 2760,2870 2930,2880 2950,2880 2970,2880 2990,2880 4475,2885 4485,2925 4490,2965 2755,2980 2775,2980 2755,3000 2775,3000 4495,3010 2755,3020 2775,3020 2755,3040 2775,3040 4500,3055 2755,3060 2775,3060 2755,3080 2775,3080 2755,3100 2775,3100 4500,3105 2755,3120 2775,3120 2755,3140 2775,3140 4500,3150 2755,3160 2775,3160 2755,3180 2775,3180 3040,3185 3060,3185 3080,3185 4500,3190 2755,3200 2775,3200 3040,3205 3060,3205 3080,3205 3020,3225 3040,3225 3060,3225 3080,3225 4495,3235 3020,3245 3040,3245 3060,3245 3080,3245 3100,3245 3120,3245 3020,3265 3040,3265 3060,3265 3080,3265 3100,3265 3120,3265 4485,3275 3020,3285 3040,3285 3060,3285 3080,3285 3100,3285 3120,3285 2745,3295 4475,3315 2755,3335 4460,3355 2775,3380 4445,3410 2790,3420 4425,3455 2810,3465 4405,3495 4220,3500 4240,3500 4260,3500 4280,3500 4300,3500 4320,3500 2825,3505 4220,3520 4240,3520 4260,3520 4280,3520 4300,3520 4320,3520 4385,3530 4220,3540 4240,3540 4260,3540 4280,3540 4300,3540 4320,3540 2850,3545 4240,3560 4260,3560 4280,3560 4300,3560 4320,3560 4360,3570 2870,3580 4240,3580 4260,3580 4280,3580 4300,3580 4320,3580 4240,3600 4260,3600 4280,3600 4300,3600 2895,3610 4330,3610 3285,3635 2920,3640 3445,3650 3465,3650 3485,3650 4295,3655 3930,3660 3950,3660 3870,3665 2950,3670 3445,3670 3465,3670 3485,3670 3930,3680 3950,3680 4260,3695 2980,3700 3830,3710 4225,3730 3010,3735 4190,3760 3045,3765 4155,3785 3080,3795 3340,3806.73 4125,3810 3120,3820 4090,3830 3165,3845 4055,3855 3205,3865 4015,3875 3245,3885 3970,3895 3285,3900 3925,3910 3330,3920 3870,3930 3375,3935 3820,3945 3425,3955 3470,3955 3770,3955 3515,3960 3720,3960 3565,3965 3615,3965 3665,3965
GRLED: R22.1 U3.8 | length 667.6
  Component Side w8: v1(3570,3560) 3580,3550 3800,3550 3840,3590 3840,3677.26 3855,3692.26 3855,3730 3875,3750 v1(3875,3805)
  Solder Side w8: U3.8@3544.65,3619.88 3544.65,3605.46 3537.68,3598.49 3537.68,3581.51 3559.19,3560 v1(3570,3560) ; R22.1@3843.27,3840 3843.27,3816.73 3845,3815 3865,3815 v1(3875,3805) v1@3875,3810
INT: R20.2 U1.4 U3.17 U5.6 | length 1817
  Component Side w8: 3085,3560 3098.27,3573.27 v1(3098.27,3600) ; v1(3175,3690) 3239.29,3690 ; U5.6@3239.29,3660.59 3239.29,3690 ; v1(3380,3590) 3380,3695 3359.5,3715.5 3275.5,3715.5 3250,3690 3239.29,3690
  Component Side w10: 3085,3560 3010,3560 2920,3470 2920,3400 3012.5,3307.5 3137.75,3307.5 3157.5,3287.75 3157.5,2847.75 v1(3205,2800.25)
  Solder Side w8: v1(3098.27,3600) 3098.27,3621.55 3115,3638.28 3115,3700 3135,3720 3165,3720 3175,3710 v1(3175,3690) ; U3.17@3375.35,3619.88 3375.35,3609.65 3380,3605 v1(3380,3590)
  Solder Side w10: v1(3205,2800.25) 3255.25,2800.25 3285.79,2769.72 U1.4@3285.79,2744.76
IREF: OLED1.12 R12.1 | length 112.2
  Component Side w8: v1(3723.27,3841.73) 3738.27,3841.73 3743.58,3836.42 OLED1.12@3743.58,3765
  Solder Side w8: R12.1@3705,3841.73 v1(3723.27,3841.73)
ISET: R7.2 U1.36 | length 230.3
  Component Side w10: v1(3086.73,2570) 3086.73,2532.86 3154.59,2465 v1(3210,2465)
  Solder Side w10: v1(3086.73,2570) R7.2@3086.73,2595 ; v1(3210,2465) 3226.5,2465 U1.36@3226.73,2465.24
KEY: D8.2 R17.1 U3.15 | length 821.6
  Component Side w8: v1(3325,3565) 3325,3550 3380,3495 3430,3495 ; v1(3430,3555) 3430,3495 ; D8.2@3930.71,3454.41 3860.59,3454.41 3855,3460 3435,3460 3430,3465 3430,3495
  Solder Side w8: R17.1@3286.73,3580 3305,3580 3320,3565 v1(3325,3565) ; U3.15@3420.63,3590.35 3420.63,3564.37 v1(3430,3555)
KEYEN: D8.1 R28.1 | length 176.5
  Component Side w8: D8.1@3930.71,3505.59 4039.41,3505.59 4050,3495 4050,3470 4056.73,3463.27 R28.1@4075,3463.27
KICK: D7.1 U5.1 | length 1274.9
  Component Side w8: v1(3150,3750) 3150,3675 3150.71,3674.29 U5.1@3150.71,3660.59 ; v1(3585,3925) 3815,3925 3865,3875 3920,3875 3985,3810 4010,3810 4035,3785 4035,3750 4086.46,3698.54 D7.1@4086.46,3660
  Solder Side w8: v1(3150,3750) 3150,3790 3175,3815 3195,3815 3235,3855 3275,3855 3315,3895 3375,3895 3405,3925 v1(3585,3925)
MEN: D6.2 D7.2 R26.2 R27.1 U2.2 | length 666.9
  Component Side w8: v1(3805,3855) 3840,3855 3855,3840 3905,3840 3970,3775 3990,3775 4005,3760 4005,3720 ; D7.2@3993.54,3660 3993.54,3681.3 4005,3692.76 4005,3720 ; R27.1@4075,3601.73 4075,3625 4070,3630 4050,3630 4045,3635 4045,3690 4035,3700 v1(4035,3720) 4005,3720
  Solder Side w8: D6.2@3760,3900 3790,3900 3795,3895 R26.2@3813.27,3895 3813.27,3868.27 3805,3860 v1(3805,3855) ; U2.2@3999.92,3742.8 4017.2,3742.8 4035,3725 v1(4035,3720)
NetC3_1: C3.1 R2.2 U1.25 | length 127.3
  Solder Side w10: U1.25@3443.27,2465.24 3443.27,2436.73 3456.73,2423.27 C3.1@3456.73,2400 R2.2@3513.27,2400
NetC6_1: C6.1 R4.1 U1.14 | length 202.8
  Solder Side w10: U1.14@3474.76,2693.58 3513.58,2693.58 3520,2700 3520,2740 3523.27,2743.27 C6.1@3550,2743.27 3573.27,2743.27 3579.7,2749.7 3579.7,2760.26 3581.73,2762.28 3581.73,2776.73 R4.1@3605,2776.73
NetC20_2: C20.2 R11.1 U3.12 | length 149.5
  Solder Side w8: R11.1@3400,3493.27 3423.27,3493.27 3430,3500 3430,3520 3436.73,3526.73 C20.2@3455,3526.73 3455,3550 3467.87,3562.87 U3.12@3467.87,3590.35
NetC29_1: C29.1 U5.4 | length 139.6
  Component Side w8: U5.4@3239.29,3609.41 3239.29,3595.02 3232.77,3588.49 3232.77,3567.23 3250,3550 3295,3550 3300,3545 C29.1@3300,3526.73
NetD3_3: D3.3 R22.2 | length 131.7
  Component Side w8: v1(3910,3805) 3910,3790 3925.39,3774.61 D3.3@3925.39,3746.73
  Solder Side w8: R22.2@3876.73,3840 3900,3840 3910,3830 v1(3910,3805) v1@3906.73,3808.27
NetD3_4: D3.4 R21.1 | length 990.6
  Component Side w8: v1(3385,3795) 3385,3740.24 3434.74,3690.5 3499.5,3690.5 3530,3660 3530,3545 3560,3515 3820,3515 3895,3590 3895,3700 3908.27,3713.27 D3.4@3925.39,3713.27
  Solder Side w8: R21.1@3366.73,3865 3385,3865 v1(3385,3795)
NetD8_3: D8.3 S1.1 | length 568.5
  Component Side w8: D8.3@4019.29,3480 4019.29,3380.71 4095,3305 4095,3150 4032.17,3087.17 S1.1@4032.17,2968.9
NetQ1_1: Q1.1 U1.23 | length 311.3
  Component Side w10: v1(3535,2485) 3535,2555 3550,2570 3670,2570 v1(3685,2555)
  Solder Side w10: U1.23@3496.35,2516.42 3503.58,2516.42 v1(3535,2485) ; Q1.1@3687.05,2525.7 v1@3687.05,2552.95
NetQ1_8: Q1.8 U1.20 | length 440.6
  Component Side w10: v1(3645,2410) v1(3645,2540)
  Solder Side w10: U1.20@3474.76,2575.47 3525.44,2575.47 3557.91,2543 3642,2543 v1(3645,2540) ; v1(3645,2410) 3645,2335 3665.7,2314.3 Q1.8@3687.05,2314.3
NetQ2_1: Q2.1 U1.16 | length 321.9
  Solder Side w10: U1.16@3474.76,2654.21 3524.21,2654.21 3570,2700 3635,2700 3650,2715 3650,2795 3660.7,2805.7 Q2.1@3687.05,2805.7
NetQ2_8: Q2.8 U1.19 | length 234.1
  Solder Side w10: U1.19@3474.76,2595.16 3531.21,2595.16 3536.26,2590.1 3537.38,2590.1 3559.1,2568.38 3643.38,2568.38 3669.3,2594.3 Q2.8@3687.05,2594.3
NetQ7_1: Q7.1 R28.2 | length 292.7
  Component Side w8: Q7.1@3930.71,3605.59 3930.71,3580.71 3925,3575 3909.45,3575 3901.49,3567.05 3901.49,3533.51 3910,3525 4065,3525 4075,3515 R28.2@4075,3496.73
NetQ7_3: Q7.3 R27.2 | length 60.6
  Component Side w8: Q7.3@4019.29,3580 4045,3580 4056.73,3568.27 R27.2@4075,3568.27
NetR25_2: R25.2 U5.3 | length 175.7
  Component Side w10: R25.2@3130,3493.27 3106.73,3493.27 3100,3500 3100,3550 3120,3570 3120,3600 3129.41,3609.41 U5.3@3150.71,3609.41
NTC: C15.1 R10.2 U1.37 | length 1731.8
  Component Side w10: v1(2920,2643.27) 2920,2700 2845,2775 2845,2935 2815,2965 2815,3214.5 2865,3264.5 2865,3495 2980,3610 2980,3640 3015,3675 v1(3035,3675) ; v1(3025,2565) 3040,2565 3052.5,2552.5 3052.5,2517.09 3154.59,2415 v1(3175,2415)
  Solder Side w10: v1(2920,2643.27) 2920,2625 2930,2615 3000,2615 3025,2590 v1(3025,2565) ; 3045,3675 v1(3035,3675) 3035.3,3675.3 R10.2@3065.44,3675.3 ; v1(3175,2415) 3181.5,2421.5 3181.5,2458.5 3165,2475 3165,2490 3171.73,2496.73 U1.37@3195.24,2496.73
OLEDSCL: OLED1.10 R13.1 U3.5 | length 220.4
  Component Side w10: v1(3590,3670) 3635,3670 v1(3650,3685) 3670,3685 3688.46,3703.46 OLED1.10@3688.46,3765
  Solder Side w8: U3.5@3544.65,3667.13 3572.13,3667.13 3575,3670 v1(3590,3670)
OLEDSDA: OLED1.11 R15.1 U3.6 | length 417.9
  Component Side w10: v1(3558.18,3590) 3695,3590 3705,3600 v1(3705,3685) 3716.02,3696.02 OLED1.11@3716.02,3765
  Solder Side w8: U3.6@3544.65,3651.38 3571.62,3651.38 3575.83,3647.17 3575.83,3607.65 v1(3558.18,3590)
PMOSG: Q4.4 Q5.3 R9.1 | length 954
  Component Side w10: v1(3205,3580) 3205,3470 3250,3425 3866.73,3425 v1(3895,3396.73)
  Solder Side w10: Q5.3@3175,3600.71 3194.29,3600.71 3205,3590 v1(3205,3580) ; Q4.4@3892.6,3475 3892.6,3432.4 3895,3430 v1(3895,3396.73)
REDLED: R21.2 U3.25 | length 156.8
  Solder Side w8: R21.2@3333.27,3865 3333.27,3841.73 3340,3835 3352.6,3835 3364.5,3823.1 3364.5,3775.5 3380.35,3759.65 U3.25@3404.88,3759.65
RESET: OLED1.9 R16.2 U3.3 | length 359.1
  Component Side w8: v1(3643.27,3863.27) 3643.27,3846.73 3660.91,3829.09 OLED1.9@3660.91,3765
  Solder Side w8: U3.3@3544.65,3698.62 3578.62,3698.62 3590,3710 3590,3720 3635,3765 3635,3825 3615,3845 R16.2@3615,3863.27 ; R16.2@3620,3863.27 v1(3643.27,3863.27)
SCL: Q6.3 R19.1 U1.43 | length 1557.3
  Component Side w10: v1(2980,2790) 2949.59,2790 2885,2854.59 2885,2949.75 2850,2984.75 2850,3200 2902.5,3252.5 2902.5,3482.4 3051.83,3631.73 v1(3073.27,3631.73)
  Solder Side w10: v1(2980,2790) 3125,2790 3146.04,2768.96 3146.04,2633.96 3165.16,2614.84 U1.43@3195.24,2614.84 ; R19.1@3045,3631.73 v1(3073.27,3631.73) 3093.5,3651.96 3093.5,3708.5 3110.71,3725.71 Q6.3@3110.71,3760
SDA: R18.1 U1.42 U4.4 | length 2330.9
  Component Side w8: 2885,3490 3015,3620 ; v1(3005,3630) 3015,3620 ; v1(3320,3695) 3335,3695 3355.5,3674.5 3355.5,3574.5 3365,3565 3400,3565 3415,3580 3415,3685 3360,3740 3265,3740 3250,3725 3195,3725 3175,3745 3175,3765 3165,3775 3125,3775 3115,3765 3115,3664 3105.5,3654.5 3049.5,3654.5 3015,3620
  Component Side w10: 2885,3490 2885,3259.75 2832.5,3207.25 2832.5,2977.5 2865,2945 2865,2849.85 2920,2794.85 v1(2920,2780)
  Solder Side w8: U4.4@3295.59,3680.71 3305.71,3680.71 v1(3320,3695)
  Solder Side w10: v1(2920,2780) 2959.59,2780 2971.09,2768.5 2988.91,2768.5 2992.91,2772.5 3112.5,2772.5 3128.54,2756.46 3128.54,2626.71 3160.09,2595.16 U1.42@3195.24,2595.16